# KiCad board digital_board_v1.kicad_pcb (continued)
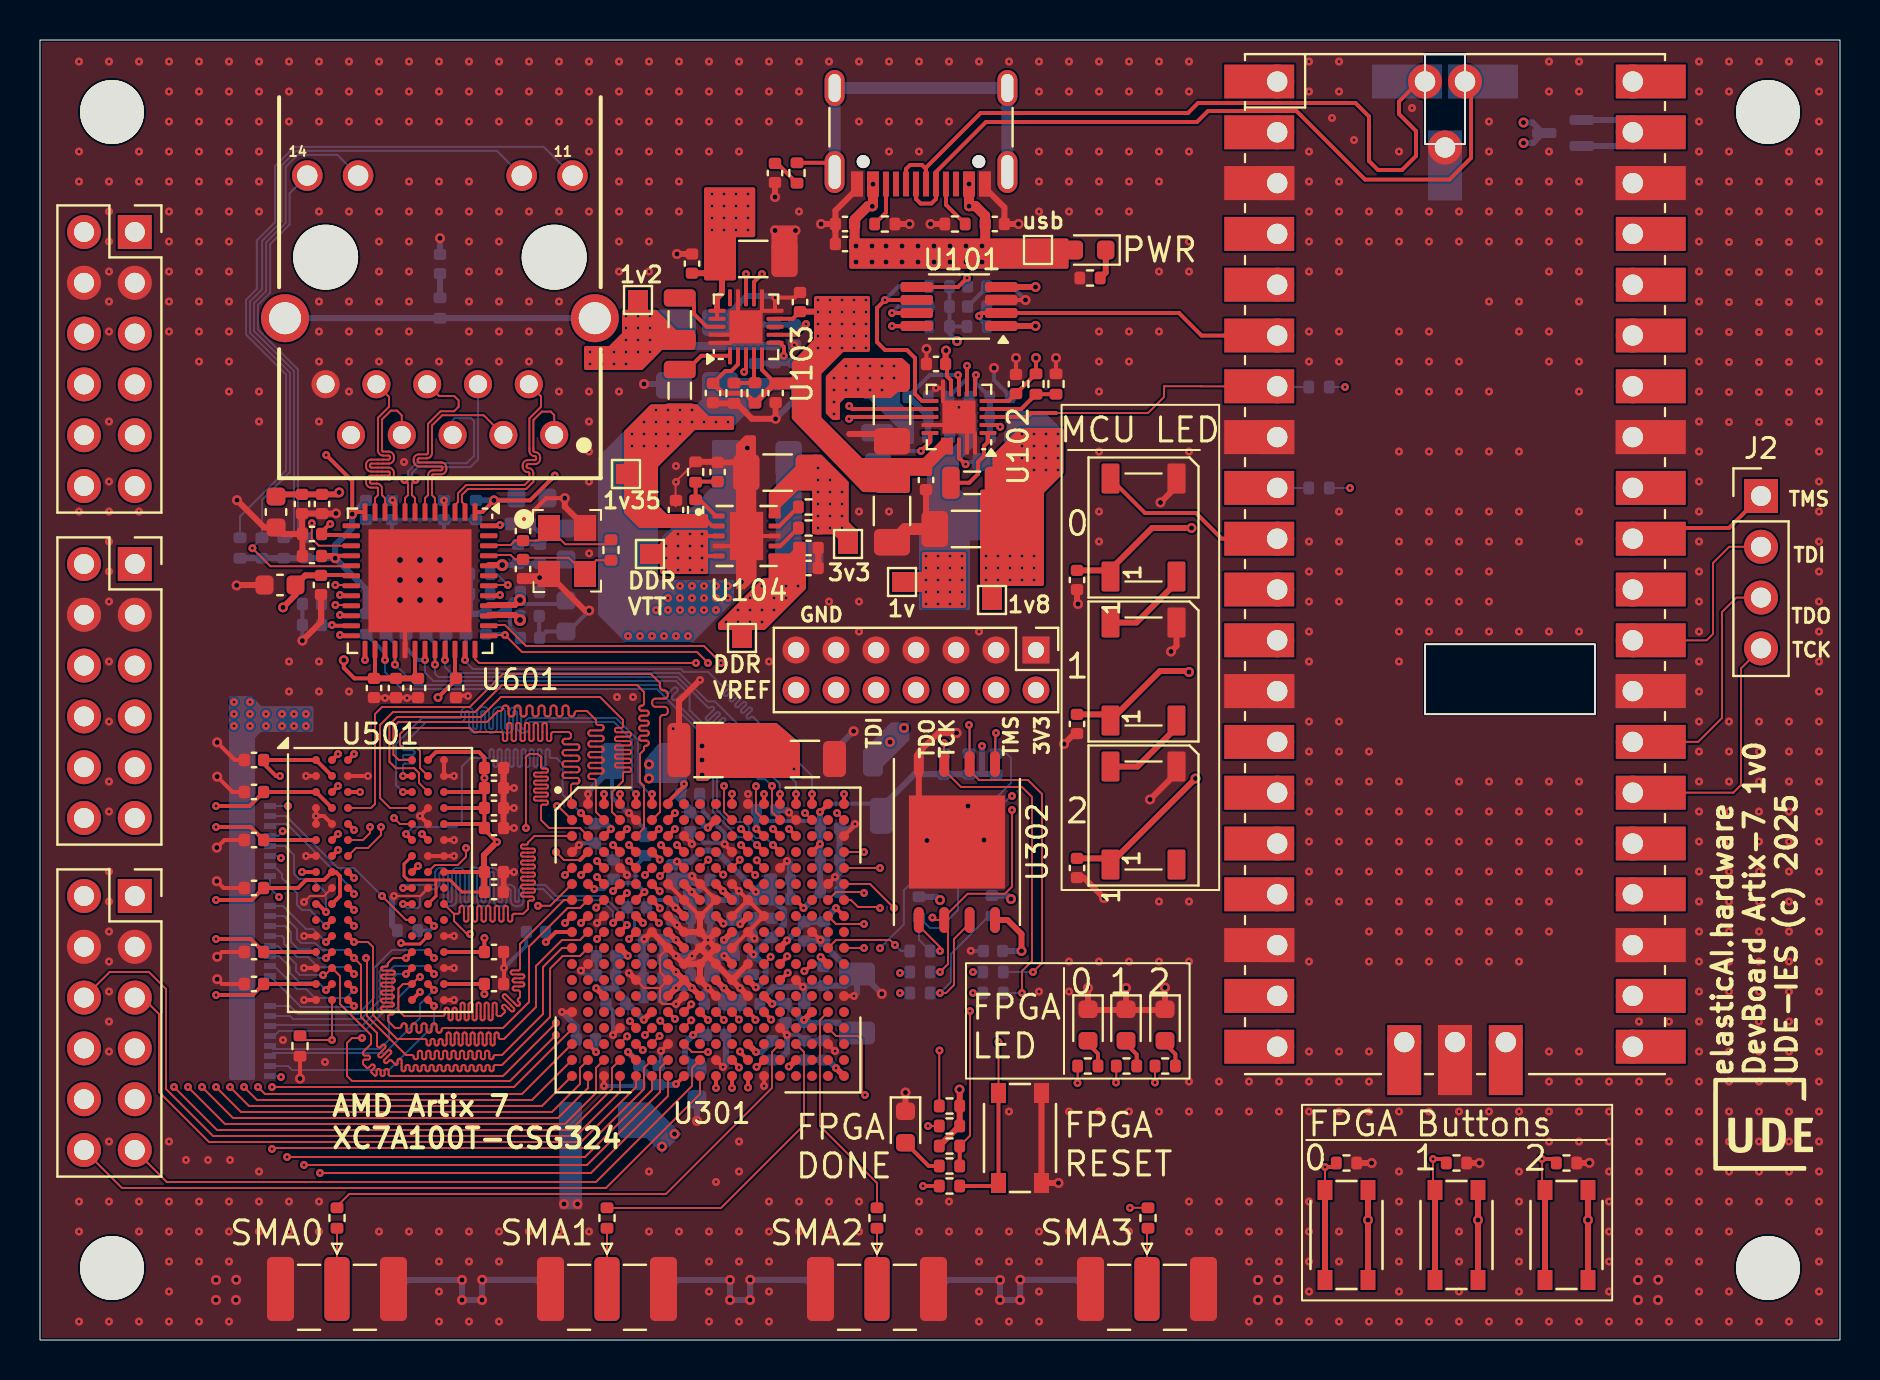
[diagram p0: board, top side]
## Routing (per net, layer and track width the routed paths; a pad name or vN(x,y) marks a point on that pad's centre or on a via; arc(x,y) is an arc through that point) (continued)
DDR3_BA1: length 37.8
  F.Cu (signal) w0.1: U301.E6 v1(30.25,23.25)
  F.Cu (signal) w0.2: U501.N8 v1(19.7,19.1)
  In2.Cu (signal) w0.1: v1(19.7,19.1) 20.05,19.45 20.05,21.06 arc(20.03,21.11) 19.97,21.14 19.68,21.14 arc(19.62,21.16) 19.6,21.22 19.6,21.26 arc(19.62,21.31) 19.68,21.34 20.42,21.34 arc(20.48,21.36) 20.5,21.42 20.5,21.46 arc(20.48,21.51) 20.42,21.54 19.68,21.54 arc(19.62,21.56) 19.6,21.62 19.6,21.66 arc(19.62,21.71) 19.68,21.74 20.37,21.74 arc(20.43,21.76) 20.45,21.82 20.45,21.86 arc(20.43,21.91) 20.37,21.94 20.13,21.94 arc(20.07,21.96) 20.05,22.02 20.25,22.21 arc(20.3,22.24) 20.36,22.21 20.57,22.01 arc(20.62,21.99) 20.68,22.01 20.71,22.04 arc(20.73,22.09) 20.71,22.15 20.18,22.67 arc(20.16,22.73) 20.18,22.79 20.21,22.82 arc(20.27,22.84) 20.33,22.82 20.85,22.29 arc(20.91,22.27) 20.96,22.29 20.99,22.32 arc(21.01,22.38) 20.99,22.43 20.47,22.96 arc(20.44,23.01) 20.47,23.07 20.5,23.1 arc(20.55,23.12) 20.61,23.1 21.13,22.58 arc(21.19,22.55) 21.24,22.58 21.27,22.6 arc(21.3,22.66) 21.27,22.72 20.75,23.24 arc(20.73,23.3) 20.75,23.35 20.78,23.38 arc(20.83,23.4) 20.89,23.38 21.41,22.86 arc(21.47,22.83) 21.53,22.86 21.56,22.89 arc(21.58,22.94) 21.56,23 21.17,23.38 arc(21.15,23.44) 21.17,23.49 21.2,23.52 arc(21.26,23.55) 21.32,23.52 21.7,23.14 arc(21.75,23.12) 21.81,23.14 21.84,23.17 arc(21.86,23.23) 21.84,23.28 21.63,23.49 arc(21.61,23.54) 21.63,23.6 21.66,23.63 arc(21.72,23.65) 21.78,23.63 21.98,23.42 arc(22.04,23.4) 22.09,23.42 22.12,23.45 arc(22.14,23.51) 22.12,23.57 21.92,23.77 arc(21.89,23.83) 21.92,23.88 22.33,24.3 23.4,24.3 23.68,24.58 25.13,24.58 25.66,24.05 26.48,24.05 26.93,23.6 28.4,23.6 29.15,22.85 29.85,22.85 v1(30.25,23.25)
  B.Cu (signal) w0.1: v1(19.7,19.1) 19.3,19.5 17.6,19.5 16.7,18.6 16.7,17.1 15.9,16.3 12.9,16.3 12.5,16.7 R501.9
DDR3_BA2: length 34.4
  F.Cu (signal) w0.1: v1(15.7,19.9) 16.4,19.9 16.65,19.65 16.65,16.25 17.85,15.05 19.25,15.05 arc(19.31,15.03) 19.33,14.97 19.33,14.81 arc(19.35,14.75) 19.41,14.73 19.45,14.73 arc(19.51,14.75) 19.53,14.81 19.53,14.97 arc(19.55,15.03) 19.61,15.05 19.65,15.05 arc(19.71,15.03) 19.73,14.97 19.73,14.81 arc(19.75,14.75) 19.81,14.73 19.85,14.73 arc(19.91,14.75) 19.93,14.81 19.93,14.97 arc(19.95,15.03) 20.01,15.05 20.05,15.05 arc(20.11,15.03) 20.13,14.97 20.13,14.81 arc(20.15,14.75) 20.21,14.73 20.25,14.73 arc(20.31,14.75) 20.33,14.81 20.33,15.29 arc(20.35,15.35) 20.41,15.37 20.45,15.37 arc(20.51,15.35) 20.53,15.29 20.53,14.81 arc(20.55,14.75) 20.61,14.73 20.65,14.73 arc(20.71,14.75) 20.73,14.81 20.73,15.29 arc(20.75,15.35) 20.81,15.37 20.85,15.37 arc(20.91,15.35) 20.93,15.29 20.93,14.81 arc(20.95,14.75) 21.01,14.73 21.05,14.73 arc(21.11,14.75) 21.13,14.81 21.13,15.29 arc(21.15,15.35) 21.21,15.37 21.25,15.37 arc(21.31,15.35) 21.33,15.29 21.33,14.81 arc(21.35,14.75) 21.41,14.73 21.45,14.73 arc(21.51,14.75) 21.53,14.81 21.53,15.29 arc(21.55,15.35) 21.61,15.37 21.65,15.37 arc(21.71,15.35) 21.73,15.29 21.73,14.81 arc(21.75,14.75) 21.81,14.73 21.85,14.73 arc(21.91,14.75) 21.93,14.81 21.93,15.29 arc(21.95,15.35) 22.01,15.37 22.05,15.37 arc(22.11,15.35) 22.13,15.29 22.13,14.81 arc(22.15,14.75) 22.21,14.73 22.25,14.73 arc(22.31,14.75) 22.33,14.81 22.33,15.29 arc(22.35,15.35) 22.41,15.37 22.45,15.37 arc(22.51,15.35) 22.53,15.29 22.53,14.81 arc(22.55,14.75) 22.61,14.73 22.65,14.73 arc(22.71,14.75) 22.73,14.81 22.73,15.29 arc(22.75,15.35) 22.81,15.37 22.85,15.37 arc(22.91,15.35) 22.93,15.29 22.93,15.13 arc(22.95,15.07) 23.01,15.05 23.2,15.05 24.8,16.65 24.8,18.7 26.1,20 27,20 U301.J2
  F.Cu (signal) w0.2: U501.M3 v1(15.7,19.9)
  In5.Cu (signal) w0.1: v1(15.7,19.9) 15.3,20.3 14.1,20.3 13.3,21.1 13.15,21.1 12.1,22.15 v1(11.95,22.15)
  B.Cu (signal) w0.1: v1(11.95,22.15) 11.5,22.6 R502.16
DDR3_CAS: length 33.7
  F.Cu (signal) w0.1: U301.G3 27.82,21.62 v1(27.81,21.62)
  F.Cu (signal) w0.2: U501.K3 v1(15.7,21.5)
  In2.Cu (signal) w0.1: v1(27.81,21.62) 27.78,21.65 26.3,21.65 24.85,20.2 24.85,19.62 25.2,19.27 25.2,19.13 arc(25.22,19.07) 25.28,19.05 25.32,19.05 arc(25.38,19.03) 25.4,18.97 25.4,18.93 arc(25.38,18.87) 25.32,18.85 25.08,18.85 arc(25.02,18.83) 25,18.77 25,18.73 arc(25.02,18.67) 25.08,18.65 25.32,18.65 arc(25.38,18.63) 25.4,18.57 25.4,18.53 arc(25.38,18.47) 25.32,18.45 25.08,18.45 arc(25.02,18.43) 25,18.37 25,18.33 arc(25.02,18.27) 25.08,18.25 25.32,18.25 arc(25.38,18.23) 25.4,18.17 25.4,18.13 arc(25.38,18.07) 25.32,18.05 25.08,18.05 arc(25.02,18.03) 25,17.97 25,17.93 arc(25.02,17.87) 25.08,17.85 25.32,17.85 arc(25.38,17.83) 25.4,17.77 25.4,17.73 arc(25.38,17.67) 25.32,17.65 25.28,17.65 arc(25.22,17.63) 25.2,17.57 25.2,17.3 arc(25.18,17.24) 25.2,17.19 25.23,17.16 arc(25.25,17.1) 25.23,17.05 25.2,17.02 arc(25.14,16.99) 25.09,17.02 24.92,17.19 arc(24.86,17.21) 24.8,17.19 24.78,17.16 arc(24.75,17.1) 24.78,17.05 24.95,16.88 arc(24.97,16.82) 24.95,16.76 24.92,16.73 arc(24.86,16.71) 24.8,16.73 24.63,16.9 arc(24.58,16.93) 24.52,16.9 24.49,16.88 arc(24.47,16.82) 24.49,16.76 24.66,16.59 arc(24.69,16.54) 24.66,16.48 24.63,16.45 arc(24.58,16.43) 24.52,16.45 24.35,16.62 arc(24.29,16.64) 24.24,16.62 24.21,16.59 arc(24.19,16.54) 24.21,16.48 24.38,16.31 arc(24.4,16.25) 24.38,16.2 24.35,16.17 arc(24.29,16.15) 24.24,16.17 24.21,16.2 arc(24.15,16.22) 24.1,16.2 23.4,15.5 19,15.5 17.35,17.15 17.35,20.75 16.6,21.5 v1(15.7,21.5) 15.7,21.53
  In5.Cu (signal) w0.1: v1(12.13,25.44) 12.13,25.37 12.75,24.75 12.75,24.15 13.1,23.8 13.75,23.8 14.95,22.6 14.95,22.25 v1(15.7,21.5)
  B.Cu (signal) w0.1: 11.25,25.2 R502.12 11.89,25.2 v1(12.13,25.44)
DDR3_CKE: length 41.5
  F.Cu (signal) w0.1: 20.7,21.31 20.7,20.95 21.35,20.3 v1(21.5,20.3) ; U301.C1 24.72,25.2 24.4,24.88 24.4,24.85 arc(24.38,24.79) 24.32,24.77 24.13,24.77 arc(24.07,24.75) 24.05,24.69 24.05,24.65 arc(24.07,24.59) 24.13,24.57 24.67,24.57 arc(24.73,24.55) 24.75,24.49 24.75,24.45 arc(24.73,24.39) 24.67,24.37 24.13,24.37 arc(24.07,24.35) 24.05,24.29 24.05,24.25 arc(24.07,24.19) 24.13,24.17 24.67,24.17 arc(24.73,24.15) 24.75,24.09 24.75,24.05 arc(24.73,23.99) 24.67,23.97 24.13,23.97 arc(24.07,23.95) 24.05,23.89 24.05,23.85 arc(24.07,23.79) 24.13,23.77 24.67,23.77 arc(24.73,23.75) 24.75,23.69 24.75,23.65 arc(24.73,23.59) 24.67,23.57 24.13,23.57 arc(24.07,23.55) 24.05,23.49 24.05,23.45 arc(24.07,23.39) 24.13,23.37 24.67,23.37 arc(24.73,23.35) 24.75,23.29 24.75,23.25 arc(24.73,23.19) 24.67,23.17 24.13,23.17 arc(24.07,23.15) 24.05,23.09 24.05,23.05 arc(24.07,22.99) 24.13,22.97 24.67,22.97 arc(24.73,22.95) 24.75,22.89 24.75,22.85 arc(24.73,22.79) 24.67,22.77 24.13,22.77 arc(24.07,22.75) 24.05,22.69 24.05,22.65 arc(24.07,22.59) 24.13,22.57 24.67,22.57 arc(24.73,22.55) 24.75,22.49 24.75,22.45 arc(24.73,22.39) 24.67,22.37 24.13,22.37 arc(24.07,22.35) 24.05,22.29 24.05,22.25 arc(24.07,22.19) 24.13,22.17 24.62,22.17 arc(24.68,22.15) 24.7,22.09 24.7,22.05 arc(24.68,21.99) 24.62,21.97 24.48,21.97 arc(24.42,21.95) 24.4,21.89 24.4,21.55 24.16,21.31 23.7,21.31 arc(23.64,21.28) 23.62,21.22 23.62,21.01 arc(23.59,20.95) 23.53,20.92 23.48,20.92 arc(23.42,20.95) 23.4,21.01 23.4,21.61 arc(23.37,21.67) 23.31,21.7 23.26,21.7 arc(23.2,21.67) 23.18,21.61 23.18,21.01 arc(23.15,20.95) 23.09,20.92 23.04,20.92 arc(22.98,20.95) 22.96,21.01 22.96,21.61 arc(22.93,21.67) 22.87,21.7 22.82,21.7 arc(22.76,21.67) 22.74,21.61 22.74,21.01 arc(22.71,20.95) 22.65,20.92 22.6,20.92 arc(22.54,20.95) 22.52,21.01 22.52,21.61 arc(22.49,21.67) 22.43,21.7 22.38,21.7 arc(22.32,21.67) 22.3,21.61 22.3,21.01 arc(22.27,20.95) 22.21,20.92 22.16,20.92 arc(22.1,20.95) 22.08,21.01 22.08,21.61 arc(22.05,21.67) 21.99,21.7 21.94,21.7 arc(21.88,21.67) 21.86,21.61 21.86,21.01 arc(21.83,20.95) 21.77,20.92 21.72,20.92 arc(21.66,20.95) 21.64,21.01 21.64,21.61 arc(21.61,21.67) 21.55,21.7 21.5,21.7 arc(21.44,21.67) 21.42,21.61 21.42,21.01 arc(21.39,20.95) 21.33,20.92 21.28,20.92 arc(21.22,20.95) 21.2,21.01 21.2,21.61 arc(21.17,21.67) 21.11,21.7 21.06,21.7 arc(21,21.67) 20.98,21.61 20.98,21.4 arc(20.95,21.34) 20.89,21.31 20.69,21.31 U501.K9
  In5.Cu (signal) w0.1: v1(12.4,26.7) 12.55,26.7 12.85,26.4 12.85,26.05 15,23.9 17.9,23.9 v1(21.5,20.3)
  B.Cu (signal) w0.1: v1(12.4,26.7) R502.9
DDR3_CLK_N: length 26.9
  F.Cu (signal) w0.2: U501.K7 v1(18.15,21.8) ; U301.H4 v1(28.65,20.85)
  B.Cu (signal) w0.1: v1(28.65,20.85) 28.65,21.41 28.08,21.98 25.72,21.98 25.16,22.54 24.23,22.54 arc(24.19,22.52) 24.17,22.48 24.17,21.97 arc(24.09,21.77) 23.9,21.69 23.81,21.69 arc(23.62,21.77) 23.53,21.97 23.53,22.48 arc(23.52,22.52) 23.48,22.54 23.39,22.54 arc(23.35,22.52) 23.33,22.48 23.33,21.97 arc(23.25,21.77) 23.06,21.69 22.97,21.69 arc(22.78,21.77) 22.69,21.97 22.69,23.33 arc(22.68,23.37) 22.64,23.39 22.55,23.39 arc(22.51,23.37) 22.49,23.33 22.49,21.97 arc(22.41,21.77) 22.22,21.69 22.13,21.69 arc(21.94,21.77) 21.85,21.97 21.85,23.33 arc(21.84,23.37) 21.8,23.39 21.71,23.39 arc(21.67,23.37) 21.65,23.33 21.65,21.97 arc(21.57,21.77) 21.38,21.69 21.29,21.69 arc(21.1,21.77) 21.01,21.97 21.01,23.33 arc(21,23.37) 20.96,23.39 20.87,23.39 arc(20.83,23.37) 20.81,23.33 20.81,21.97 arc(20.73,21.77) 20.54,21.69 20.45,21.69 arc(20.26,21.77) 20.17,21.97 20.17,23.33 arc(20.16,23.37) 20.12,23.39 20.03,23.39 arc(19.99,23.37) 19.97,23.33 19.97,22.82 arc(19.89,22.62) 19.7,22.54 19.4,22.54 19,22.14 19,21.7 18.9,21.6 18.35,21.6 v1(18.15,21.8)
DDR3_CLK_P: length 26.9
  F.Cu (signal) w0.2: U501.J7 v1(18.15,22.6) ; U301.J4 v1(29.35,20.75)
  B.Cu (signal) w0.1: v1(18.15,22.6) 18.31,22.76 19.7,22.76 arc(19.74,22.78) 19.75,22.82 19.75,23.33 arc(19.84,23.53) 20.03,23.61 20.12,23.61 arc(20.31,23.53) 20.39,23.33 20.39,21.97 arc(20.41,21.93) 20.45,21.91 20.54,21.91 arc(20.58,21.93) 20.59,21.97 20.59,23.33 arc(20.68,23.53) 20.87,23.61 20.96,23.61 arc(21.15,23.53) 21.23,23.33 21.23,21.97 arc(21.25,21.93) 21.29,21.91 21.38,21.91 arc(21.42,21.93) 21.43,21.97 21.43,23.33 arc(21.52,23.53) 21.71,23.61 21.8,23.61 arc(21.99,23.53) 22.07,23.33 22.07,21.97 arc(22.09,21.93) 22.13,21.91 22.22,21.91 arc(22.26,21.93) 22.27,21.97 22.27,23.33 arc(22.36,23.53) 22.55,23.61 22.64,23.61 arc(22.83,23.53) 22.91,23.33 22.91,21.97 arc(22.93,21.93) 22.97,21.91 23.06,21.91 arc(23.1,21.93) 23.11,21.97 23.11,22.48 arc(23.2,22.68) 23.39,22.76 23.48,22.76 arc(23.67,22.68) 23.75,22.48 23.75,21.97 arc(23.77,21.93) 23.81,21.91 23.9,21.91 arc(23.94,21.93) 23.95,21.97 23.95,22.48 arc(24.04,22.68) 24.23,22.76 25.25,22.76 25.81,22.2 28.17,22.2 28.88,21.49 28.88,21.22 v1(29.35,20.75)
DDR3_CS: length 4.9
  F.Cu (signal) w0.2: v1(14.3,20.7) U501.L2
  B.Cu (signal) w0.1: R502.15 11.7,23.7 12.1,23.3 12.1,23.1 12.85,22.35 12.85,21.75 13.1,21.5 13.5,21.5 v1(14.3,20.7)
DDR3_DM0: length 27
  F.Cu (signal) w0.1: U501.E7 18,25.8 v1(17.7,26.1)
  F.Cu (signal) w0.2: U301.D7 v1(31.05,24.75)
  In2.Cu (signal) w0.1: v1(17.7,26.1) 17.7,26.3 18.6,27.2 18.6,29.1 18.9,29.4 21.82,29.4 22.52,30.1 27.45,30.1 27.75,29.8 27.75,29.61 arc(27.77,29.55) 27.83,29.53 28.13,29.53 arc(28.19,29.51) 28.21,29.45 28.21,29.41 arc(28.19,29.35) 28.13,29.33 27.83,29.33 arc(27.77,29.31) 27.75,29.25 27.75,29.21 arc(27.77,29.15) 27.83,29.13 28.13,29.13 arc(28.19,29.11) 28.21,29.05 28.21,29.01 arc(28.19,28.95) 28.13,28.93 27.62,28.93 arc(27.56,28.91) 27.54,28.85 27.54,28.81 arc(27.56,28.75) 27.62,28.73 28.13,28.73 arc(28.19,28.71) 28.21,28.65 28.21,28.61 arc(28.19,28.55) 28.13,28.53 27.62,28.53 arc(27.56,28.51) 27.54,28.45 27.54,28.41 arc(27.56,28.35) 27.62,28.33 28.13,28.33 arc(28.19,28.31) 28.21,28.25 28.21,28.21 arc(28.19,28.15) 28.13,28.13 27.62,28.13 arc(27.56,28.11) 27.54,28.05 27.54,28.01 arc(27.56,27.95) 27.62,27.93 28.13,27.93 arc(28.19,27.91) 28.21,27.85 28.21,27.81 arc(28.19,27.75) 28.13,27.73 27.83,27.73 arc(27.77,27.71) 27.75,27.65 27.75,26.71 28.01,26.45 28.86,26.45 29.31,26 29.8,26 v1(31.05,24.75)
DDR3_DM1: length 30
  F.Cu (signal) w0.1: U301.B6 31,26.4 31,31.08 arc(31.05,31.2) 31.16,31.25 31.23,31.25 arc(31.34,31.3) 31.39,31.41 31.39,31.49 arc(31.34,31.61) 31.23,31.66 30.77,31.66 arc(30.66,31.71) 30.61,31.82 30.61,31.9 arc(30.66,32.02) 30.77,32.07 31.23,32.07 arc(31.34,32.12) 31.39,32.23 31.39,32.31 arc(31.34,32.43) 31.23,32.48 31.16,32.48 arc(31.05,32.53) 31,32.64 31,32.85 30.55,33.3 23.14,33.3 21.49,31.65 17.1,31.65 16.75,31.3 16.75,26.8 16.55,26.6 U501.D3
DDR3_DQ0: length 27
  F.Cu (signal) w0.2: U501.E3 v1(15.7,25.5) ; U301.C4 v1(29.35,25.55)
  In2.Cu (signal) w0.1: v1(29.35,25.55) 29,25.9 27.75,25.9 27.4,26.25 27.4,26.78 27.05,27.13 27.05,27.69 arc(27.07,27.75) 27.13,27.77 27.25,27.77 arc(27.31,27.79) 27.33,27.85 27.33,27.89 arc(27.31,27.95) 27.25,27.97 26.75,27.97 arc(26.69,27.99) 26.67,28.05 26.67,28.09 arc(26.69,28.15) 26.75,28.17 27.25,28.17 arc(27.31,28.19) 27.33,28.25 27.33,28.29 arc(27.31,28.35) 27.25,28.37 26.75,28.37 arc(26.69,28.39) 26.67,28.45 26.67,28.49 arc(26.69,28.55) 26.75,28.57 27.25,28.57 arc(27.31,28.59) 27.33,28.65 27.33,28.69 arc(27.31,28.75) 27.25,28.77 26.75,28.77 arc(26.69,28.79) 26.67,28.85 26.67,28.89 arc(26.69,28.95) 26.75,28.97 27.25,28.97 arc(27.31,28.99) 27.33,29.05 27.33,29.09 arc(27.31,29.15) 27.25,29.17 26.75,29.17 arc(26.69,29.19) 26.67,29.25 26.67,29.29 arc(26.69,29.35) 26.75,29.37 27.35,29.37 arc(27.41,29.39) 27.43,29.45 27.43,29.49 arc(27.41,29.55) 27.35,29.57 27.13,29.57 arc(27.07,29.59) 27.05,29.65 27.05,29.7 26.85,29.9 22.6,29.9 21.9,29.2 18.98,29.2 18.8,29.02 18.8,27.12 18.31,26.63 18.31,26.22 17.3,25.21 15.99,25.21 v1(15.7,25.5)
DDR3_DQ1: length 26.9
  F.Cu (signal) w0.2: v1(18.3,25.3) U501.F7 ; U301.B2 v1(27.05,26.35)
  B.Cu (signal) w0.1: v1(27.05,26.35) 26.13,27.27 26.13,28.8 25.83,29.1 25.56,29.1 arc(25.5,29.12) 25.48,29.18 25.48,29.46 arc(25.46,29.51) 25.4,29.54 25.36,29.54 arc(25.3,29.51) 25.28,29.46 25.28,28.74 arc(25.26,28.69) 25.2,28.66 25.16,28.66 arc(25.1,28.69) 25.08,28.74 25.08,29.46 arc(25.06,29.51) 25,29.54 24.96,29.54 arc(24.9,29.51) 24.88,29.46 24.88,28.74 arc(24.86,28.69) 24.8,28.66 24.76,28.66 arc(24.7,28.69) 24.68,28.74 24.68,29.46 arc(24.66,29.51) 24.6,29.54 24.56,29.54 arc(24.5,29.51) 24.48,29.46 24.48,28.74 arc(24.46,28.69) 24.4,28.66 24.36,28.66 arc(24.3,28.69) 24.28,28.74 24.28,29.46 arc(24.26,29.51) 24.2,29.54 24.16,29.54 arc(24.1,29.51) 24.08,29.46 24.08,28.74 arc(24.06,28.69) 24,28.66 23.96,28.66 arc(23.9,28.69) 23.88,28.74 23.88,29.46 arc(23.86,29.51) 23.8,29.54 23.76,29.54 arc(23.7,29.51) 23.68,29.46 23.68,28.74 arc(23.66,28.69) 23.6,28.66 23.56,28.66 arc(23.5,28.69) 23.48,28.74 23.48,29.46 arc(23.46,29.51) 23.4,29.54 23.36,29.54 arc(23.3,29.51) 23.28,29.46 23.28,28.74 arc(23.26,28.69) 23.2,28.66 23.16,28.66 arc(23.1,28.69) 23.08,28.74 23.08,29.46 arc(23.06,29.51) 23,29.54 22.96,29.54 arc(22.9,29.51) 22.88,29.46 22.88,28.74 arc(22.86,28.69) 22.8,28.66 22.76,28.66 arc(22.7,28.69) 22.68,28.74 22.68,29.46 arc(22.66,29.51) 22.6,29.54 22.56,29.54 arc(22.5,29.51) 22.48,29.46 22.48,29.18 arc(22.46,29.12) 22.4,29.1 21.52,29.1 21.09,28.67 21.09,25.92 20.82,25.65 18.65,25.65 v1(18.3,25.3)
DDR3_DQ2: length 27
  F.Cu (signal) w0.2: U501.F2 v1(14.9,25.3) ; U301.D5 v1(29.45,24.75)
  In2.Cu (signal) w0.1: v1(29.45,24.75) 29.1,25.1 28.23,25.1 27.63,25.7 26.92,25.7 26.44,26.18 26.44,26.61 arc(26.42,26.67) 26.36,26.69 26.29,26.69 arc(26.23,26.72) 26.21,26.77 26.21,26.81 arc(26.23,26.87) 26.29,26.89 26.79,26.89 arc(26.85,26.92) 26.87,26.97 26.87,27.01 arc(26.85,27.07) 26.79,27.09 26.04,27.09 arc(25.98,27.12) 25.96,27.17 25.96,27.21 arc(25.98,27.27) 26.04,27.29 26.69,27.29 arc(26.75,27.32) 26.77,27.37 26.77,27.41 arc(26.75,27.47) 26.69,27.49 26.04,27.49 arc(25.98,27.52) 25.96,27.57 25.96,27.61 arc(25.98,27.67) 26.04,27.69 26.36,27.69 arc(26.42,27.72) 26.44,27.77 26.44,27.81 arc(26.42,27.87) 26.36,27.89 26.04,27.89 arc(25.98,27.92) 25.96,27.97 25.96,28.01 arc(25.98,28.07) 26.04,28.09 26.36,28.09 arc(26.42,28.12) 26.44,28.17 26.44,29.29 26.03,29.7 22.69,29.7 21.99,29 19.17,29 19,28.83 19,26.98 18.51,26.49 18.51,26.13 17.39,25.01 15.7,25.01 15.41,25.3 v1(14.9,25.3)
DDR3_DQ3: length 27
  F.Cu (signal) w0.1: U301.B1 25.9,26.7 v1(25.85,26.7)
  F.Cu (signal) w0.2: v1(19.1,25.3) U501.F8
  In2.Cu (signal) w0.1: v1(19.1,25.3) 19.35,25.55 19.35,28.39 19.76,28.8 22.08,28.8 22.39,29.11 22.6,29.11 arc(22.66,29.13) 22.68,29.19 22.68,29.35 arc(22.7,29.41) 22.76,29.43 22.8,29.43 arc(22.86,29.41) 22.88,29.35 22.88,28.72 arc(22.9,28.66) 22.96,28.64 23,28.64 arc(23.06,28.66) 23.08,28.72 23.08,29.4 arc(23.1,29.46) 23.16,29.48 23.2,29.48 arc(23.26,29.46) 23.28,29.4 23.28,28.72 arc(23.3,28.66) 23.36,28.64 23.4,28.64 arc(23.46,28.66) 23.48,28.72 23.48,29.4 arc(23.5,29.46) 23.56,29.48 23.6,29.48 arc(23.66,29.46) 23.68,29.4 23.68,28.72 arc(23.7,28.66) 23.76,28.64 23.8,28.64 arc(23.86,28.66) 23.88,28.72 23.88,29.4 arc(23.9,29.46) 23.96,29.48 24,29.48 arc(24.06,29.46) 24.08,29.4 24.08,28.72 arc(24.1,28.66) 24.16,28.64 24.2,28.64 arc(24.26,28.66) 24.28,28.72 24.28,29.4 arc(24.3,29.46) 24.36,29.48 24.4,29.48 arc(24.46,29.46) 24.48,29.4 24.48,28.72 arc(24.5,28.66) 24.56,28.64 24.6,28.64 arc(24.66,28.66) 24.68,28.72 24.68,29.4 arc(24.7,29.46) 24.76,29.48 24.8,29.48 arc(24.86,29.46) 24.88,29.4 24.88,28.72 arc(24.9,28.66) 24.96,28.64 25,28.64 arc(25.06,28.66) 25.08,28.72 25.08,29.4 arc(25.1,29.46) 25.16,29.48 25.2,29.48 arc(25.26,29.46) 25.28,29.4 25.28,28.67 arc(25.3,28.61) 25.36,28.59 25.4,28.59 arc(25.46,28.61) 25.48,28.67 25.48,29.4 arc(25.5,29.46) 25.56,29.48 25.6,29.48 arc(25.66,29.46) 25.68,29.4 25.68,28.67 arc(25.7,28.61) 25.76,28.59 25.8,28.59 arc(25.86,28.61) 25.88,28.67 25.88,29.03 arc(25.9,29.09) 25.96,29.11 26.14,29.11 26.24,29.01 26.24,28.49 26.09,28.33 25.84,28.33 25.66,28.15 25.66,26.89 v1(25.85,26.7)
DDR3_DQ4: length 27.2
  F.Cu (signal) w0.2: U301.E5 v1(29.45,23.95) ; U501.H3 v1(15.7,23.1)
  In2.Cu (signal) w0.1: 27.99,24.3 28.34,23.95 v1(29.45,23.95) ; 28,24.3 27.19,25.1 26.39,25.1 24.24,27.25 22,27.25 21.79,27.04 20.17,27.04 19.95,26.82 19.95,24.44 19.35,23.84 19.35,23.55 19.15,23.35 18.45,23.35 arc(18.38,23.38) 18.35,23.45 18.35,23.8 arc(18.32,23.87) 18.25,23.9 18.2,23.9 arc(18.13,23.87) 18.1,23.8 18.1,23.45 arc(18.07,23.38) 18,23.35 17.95,23.35 arc(17.88,23.38) 17.85,23.45 17.85,23.8 arc(17.82,23.87) 17.75,23.9 17.7,23.9 arc(17.63,23.87) 17.6,23.8 17.6,22.95 arc(17.57,22.88) 17.5,22.85 17.45,22.85 arc(17.38,22.88) 17.35,22.95 17.35,23.8 arc(17.32,23.87) 17.25,23.9 17.2,23.9 arc(17.13,23.87) 17.1,23.8 17.1,22.9 arc(17.07,22.83) 17,22.8 16.95,22.8 arc(16.88,22.83) 16.85,22.9 16.85,23.8 arc(16.82,23.87) 16.75,23.9 16.7,23.9 arc(16.63,23.87) 16.6,23.8 16.6,22.9 arc(16.57,22.83) 16.5,22.8 16.45,22.8 arc(16.38,22.83) 16.35,22.9 16.35,23.8 arc(16.32,23.87) 16.25,23.9 16.2,23.9 arc(16.13,23.87) 16.1,23.8 16.1,23.45 arc(16.07,23.38) 16,23.35 15.95,23.35 v1(15.7,23.1)
DDR3_DQ5: length 26.9
  F.Cu (signal) w0.1: v1(21.3,24.6) 21.3,24.16 20.89,23.75 19.75,23.75 U501.H8
  F.Cu (signal) w0.2: U301.E3 v1(27.85,23.95)
  In2.Cu (signal) w0.1: v1(21.3,24.6) 21.3,24.8 arc(21.32,24.85) 21.38,24.88 21.58,24.88 arc(21.64,24.9) 21.66,24.96 21.66,25 arc(21.64,25.05) 21.58,25.08 21.12,25.08 arc(21.06,25.1) 21.04,25.16 21.04,25.2 arc(21.06,25.25) 21.12,25.28 21.58,25.28 arc(21.64,25.3) 21.66,25.36 21.66,25.4 arc(21.64,25.45) 21.58,25.48 21.02,25.48 arc(20.96,25.5) 20.94,25.56 20.94,25.6 arc(20.96,25.65) 21.02,25.68 21.58,25.68 arc(21.64,25.7) 21.66,25.76 21.66,25.8 arc(21.64,25.85) 21.58,25.88 21.02,25.88 arc(20.96,25.9) 20.94,25.96 20.94,26 arc(20.96,26.05) 21.02,26.08 21.58,26.08 arc(21.64,26.1) 21.66,26.16 21.66,26.2 arc(21.64,26.25) 21.58,26.28 21.38,26.28 arc(21.32,26.3) 21.3,26.36 21.3,26.65 21.49,26.84 21.88,26.84 22.05,27.01 22.2,27.01 arc(22.29,26.97) 22.32,26.89 22.32,26.04 arc(22.36,25.96) 22.45,25.92 22.51,25.92 arc(22.6,25.96) 22.63,26.04 22.63,26.89 arc(22.67,26.97) 22.76,27.01 22.82,27.01 arc(22.91,26.97) 22.94,26.89 22.94,26.04 arc(22.98,25.96) 23.07,25.92 23.13,25.92 arc(23.22,25.96) 23.25,26.04 23.25,26.89 arc(23.29,26.97) 23.38,27.01 24.2,27.01 24.38,26.83 arc(24.41,26.76) 24.38,26.69 24.02,26.33 arc(23.99,26.25) 24.02,26.18 24.05,26.15 arc(24.12,26.12) 24.19,26.15 24.55,26.51 arc(24.62,26.54) 24.7,26.51 24.73,26.47 arc(24.76,26.4) 24.73,26.33 24.48,26.08 arc(24.45,26.01) 24.48,25.94 24.51,25.9 arc(24.58,25.87) 24.65,25.9 24.91,26.16 arc(24.98,26.19) 25.05,26.16 25.08,26.12 arc(25.11,26.05) 25.08,25.98 24.72,25.62 arc(24.69,25.55) 24.72,25.48 24.76,25.44 arc(24.83,25.41) 24.9,25.44 25.26,25.8 arc(25.33,25.83) 25.4,25.8 25.44,25.77 arc(25.47,25.7) 25.44,25.63 25.08,25.26 arc(25.05,25.19) 25.08,25.12 25.11,25.09 arc(25.18,25.06) 25.25,25.09 25.61,25.45 arc(25.69,25.48) 25.76,25.45 25.79,25.41 arc(25.82,25.34) 25.79,25.27 25.57,25.05 arc(25.54,24.98) 25.57,24.91 25.61,24.88 arc(25.68,24.85) 25.75,24.88 25.97,25.1 arc(26.04,25.12) 26.11,25.1 27.26,23.95 v1(27.85,23.95)
DDR3_DQ6: length 27.1
  F.Cu (signal) w0.2: U301.D4 v1(28.65,24.75) ; U501.G2 v1(14.9,24.5)
  In2.Cu (signal) w0.1: v1(14.9,24.5) 14.91,24.51 15.5,24.51 arc(15.56,24.54) 15.59,24.6 15.59,24.69 arc(15.61,24.75) 15.68,24.78 15.72,24.78 arc(15.78,24.75) 15.81,24.69 15.81,24.33 arc(15.83,24.27) 15.9,24.24 15.94,24.24 arc(16,24.27) 16.03,24.33 16.03,24.69 arc(16.05,24.75) 16.12,24.78 16.16,24.78 arc(16.22,24.75) 16.25,24.69 16.25,24.33 arc(16.27,24.27) 16.34,24.24 16.38,24.24 arc(16.44,24.27) 16.47,24.33 16.47,24.69 arc(16.49,24.75) 16.56,24.78 16.6,24.78 arc(16.66,24.75) 16.69,24.69 16.69,24.33 arc(16.71,24.27) 16.78,24.24 16.82,24.24 arc(16.88,24.27) 16.91,24.33 16.91,24.69 arc(16.93,24.75) 17,24.78 17.04,24.78 arc(17.1,24.75) 17.13,24.69 17.13,24.33 arc(17.15,24.27) 17.22,24.24 17.26,24.24 arc(17.32,24.27) 17.35,24.33 17.35,24.69 arc(17.37,24.75) 17.44,24.78 17.48,24.78 arc(17.54,24.75) 17.57,24.69 17.57,24.33 arc(17.59,24.27) 17.66,24.24 17.7,24.24 arc(17.76,24.27) 17.79,24.33 17.79,24.69 arc(17.81,24.75) 17.88,24.78 17.92,24.78 arc(17.98,24.75) 18.01,24.69 18.01,24.33 arc(18.03,24.27) 18.1,24.24 18.14,24.24 arc(18.2,24.27) 18.23,24.33 18.23,24.69 arc(18.25,24.75) 18.32,24.78 18.36,24.78 arc(18.42,24.75) 18.45,24.69 18.45,24.33 arc(18.47,24.27) 18.54,24.24 18.58,24.24 arc(18.64,24.27) 18.67,24.33 18.67,24.42 arc(18.69,24.48) 18.76,24.51 18.94,24.51 19.55,25.12 19.55,28.25 19.85,28.55 22.41,28.55 22.53,28.43 25.17,28.43 25.45,28.15 25.45,26.61 26.56,25.5 27.55,25.5 28.3,24.75 v1(28.65,24.75)
DDR3_DQ7: length 27
  F.Cu (signal) w0.1: v1(31,23.2) U301.E7
  F.Cu (signal) w0.2: U501.H7 v1(18.9,23.7)
  In2.Cu (signal) w0.1: v1(18.9,23.7) 19.75,24.55 19.75,27.47 19.97,27.69 arc(20.03,27.71) 20.05,27.77 20.05,28.16 arc(20.07,28.22) 20.13,28.24 20.17,28.24 arc(20.23,28.22) 20.25,28.16 20.25,27.32 arc(20.27,27.26) 20.33,27.24 20.37,27.24 arc(20.43,27.26) 20.45,27.32 20.45,27.61 arc(20.47,27.67) 20.53,27.69 20.57,27.69 arc(20.63,27.67) 20.65,27.61 20.65,27.32 arc(20.67,27.26) 20.73,27.24 20.77,27.24 arc(20.83,27.26) 20.85,27.32 20.85,27.81 arc(20.87,27.87) 20.93,27.89 20.97,27.89 arc(21.03,27.87) 21.05,27.81 21.05,27.32 arc(21.07,27.26) 21.13,27.24 21.17,27.24 arc(21.23,27.26) 21.25,27.32 21.25,28.16 arc(21.27,28.22) 21.33,28.24 21.37,28.24 arc(21.43,28.22) 21.45,28.16 21.45,27.32 arc(21.47,27.26) 21.53,27.24 21.57,27.24 arc(21.63,27.26) 21.65,27.32 21.65,28.16 arc(21.67,28.22) 21.73,28.24 21.77,28.24 arc(21.83,28.22) 21.85,28.16 21.85,27.57 arc(21.87,27.51) 21.93,27.49 21.97,27.49 arc(22.03,27.51) 22.05,27.57 22.05,27.61 arc(22.07,27.67) 22.13,27.69 22.17,27.69 arc(22.23,27.67) 22.25,27.61 22.25,27.57 arc(22.27,27.51) 22.33,27.49 22.37,27.49 arc(22.43,27.51) 22.45,27.57 22.45,27.61 arc(22.47,27.67) 22.53,27.69 22.57,27.69 arc(22.63,27.67) 22.65,27.61 22.65,27.57 arc(22.67,27.51) 22.73,27.49 22.77,27.49 arc(22.83,27.51) 22.85,27.57 22.85,27.61 arc(22.87,27.67) 22.93,27.69 23.3,27.69 23.74,28.13 25.05,28.13 25.25,27.93 25.25,26.52 26.47,25.3 27.28,25.3 28.28,24.3 30,24.3 30.98,23.32 30.98,23.22 v1(31,23.2)
DDR3_DQ8: length 30.2
  F.Cu (signal) w0.1: U501.D7 17.5,26.6 17,27.1 17,30.75 17.65,31.4 21.75,31.4 23.1,32.75 29.85,32.75 30.2,32.4 30.2,31.82 arc(30.17,31.75) 30.1,31.72 30.06,31.72 arc(29.99,31.69) 29.96,31.62 29.96,31.57 arc(29.99,31.5) 30.06,31.47 30.34,31.47 arc(30.41,31.44) 30.44,31.37 30.44,31.32 arc(30.41,31.25) 30.34,31.22 30.06,31.22 arc(29.99,31.19) 29.96,31.12 29.96,31.07 arc(29.99,31) 30.06,30.97 30.34,30.97 arc(30.41,30.94) 30.44,30.87 30.44,30.82 arc(30.41,30.75) 30.34,30.72 30.06,30.72 arc(29.99,30.69) 29.96,30.62 29.96,30.57 arc(29.99,30.5) 30.06,30.47 30.34,30.47 arc(30.41,30.44) 30.44,30.37 30.44,30.32 arc(30.41,30.25) 30.34,30.22 30.06,30.22 arc(29.99,30.19) 29.96,30.12 29.96,30.07 arc(29.99,30) 30.06,29.97 30.34,29.97 arc(30.41,29.94) 30.44,29.87 30.44,29.82 arc(30.41,29.75) 30.34,29.72 30.3,29.72 arc(30.23,29.69) 30.2,29.62 30.2,29.51 30,29.31 30,27.9 30.2,27.7 30.2,25.6 U301.C5
DDR3_DQ9: length 27
  F.Cu (signal) w0.1: U501.C3 15.41,27.4
  F.Cu (signal) w0.2: U301.C6 v1(30.95,25.55) ; U501.C3 v1(16,27.4)
  In2.Cu (signal) w0.1: v1(16,27.4) 16.51,27.4 16.79,27.68 16.79,28.68 arc(16.76,28.74) 16.7,28.77 16.63,28.77 arc(16.57,28.79) 16.54,28.86 16.54,28.9 arc(16.57,28.96) 16.63,28.99 16.95,28.99 arc(17.01,29.01) 17.04,29.08 17.04,29.12 arc(17.01,29.18) 16.95,29.21 16.63,29.21 arc(16.57,29.23) 16.54,29.3 16.54,29.34 arc(16.57,29.4) 16.63,29.43 16.95,29.43 arc(17.01,29.45) 17.04,29.52 17.04,29.56 arc(17.01,29.62) 16.95,29.65 16.63,29.65 arc(16.57,29.67) 16.54,29.74 16.54,29.78 arc(16.57,29.84) 16.63,29.87 16.95,29.87 arc(17.01,29.89) 17.04,29.96 17.04,30 arc(17.01,30.06) 16.95,30.09 16.63,30.09 arc(16.57,30.11) 16.54,30.18 16.54,30.22 arc(16.57,30.28) 16.63,30.31 16.7,30.31 arc(16.76,30.33) 16.79,30.4 16.79,30.76 17.08,31.05 28.85,31.05 29.3,30.6 arc(29.31,30.56) 29.3,30.53 arc(29.29,30.49) 29.3,30.46 29.53,30.23 arc(29.56,30.22) 29.6,30.23 29.67,30.3 arc(29.7,30.32) 29.74,30.3 29.96,30.08 arc(29.98,30.04) 29.96,30.01 29.89,29.94 arc(29.88,29.9) 29.89,29.86 30.12,29.64 arc(30.16,29.62) 30.19,29.64 arc(30.23,29.65) 30.26,29.64 30.95,28.95 v1(30.95,25.55)